# Allegro board RK3588S_Template_LP4XD200P232SD8H2_31X31_2133MHz_H1R6_V11_20220218YWQ.brd (continued)
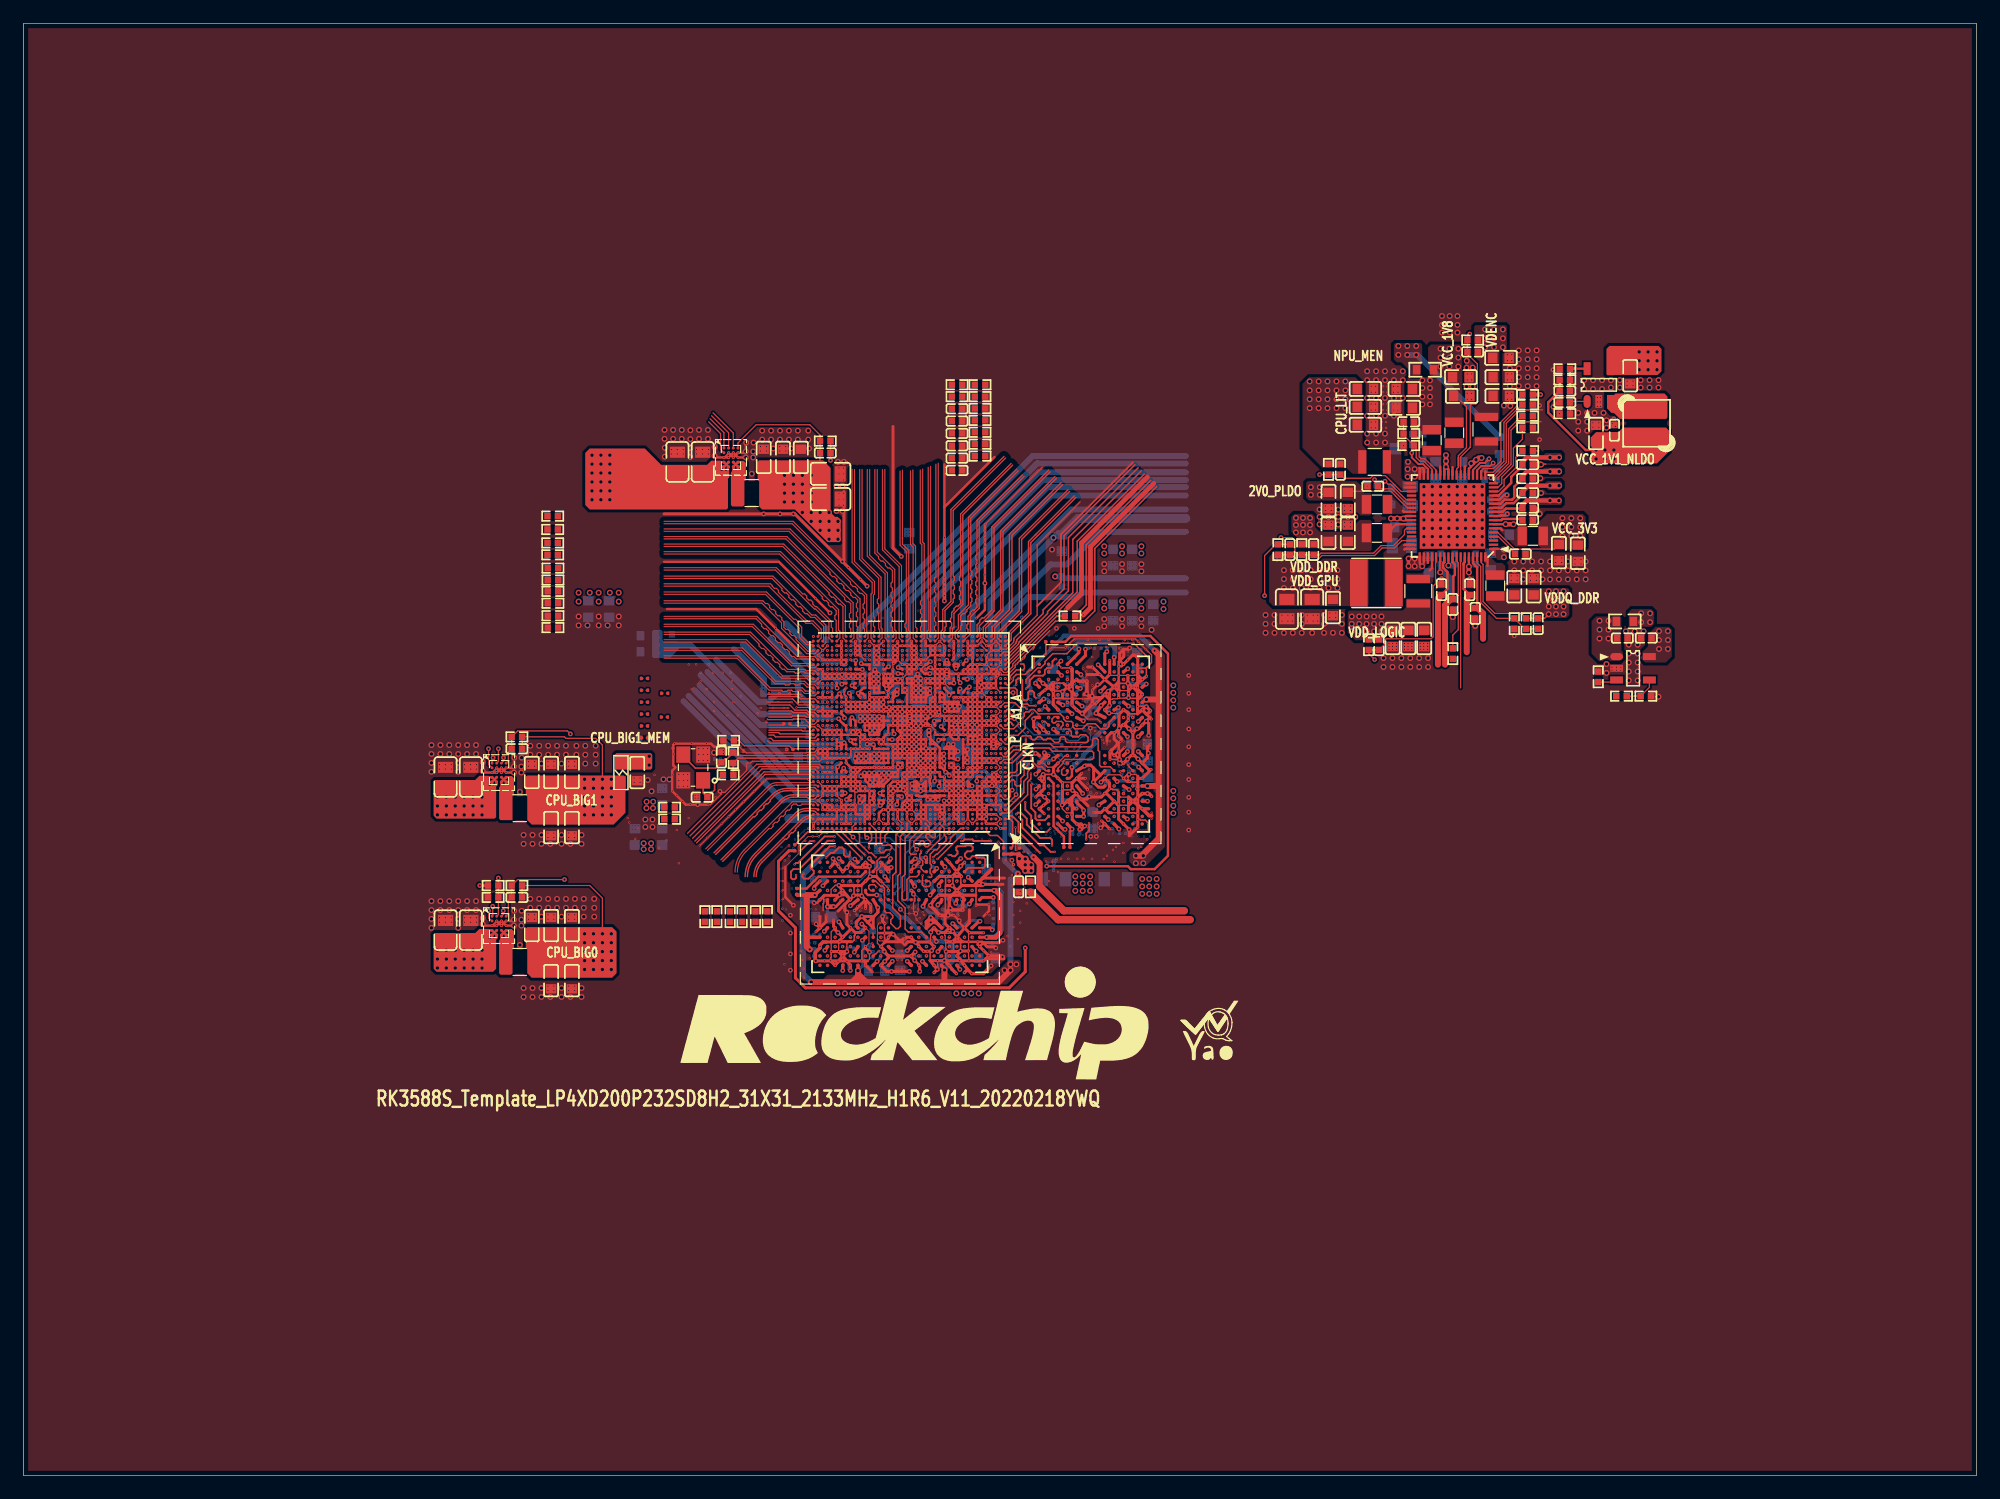
[diagram p0: board, top side]
## Routing (per net, layer and track width the routed paths; a pad name or vN(x,y) marks a point on that pad's centre or on a via; arc(x,y) is an arc through that point) (continued)
  L4-POWER1 w0.102: 71.07,61.23 69.63,61.23 68.83,60.43 64.1,60.43 61,57.33 58.24,57.33 57.89,57.68 57.06,57.68 54.07,54.69 48.56,54.69 46.76,56.49 46.76,63.35 v1(46.74,63.37)
  L5-POWER2 w0.305: v1(71.99,61.66) 71.98,61.67 v1(71.58,61.67) ; v1(71.99,61.66) 71.99,61.26 ; v1(71.99,61.66) 72.69,61.66 v1(72.69,61.67) ; v1(71.58,61.67) 71.58,61.27 v1(71.58,61.26) ; v1(71.58,61.67) v1(71.17,61.67) 71.17,61.37 v1(71.07,61.26) v1(71.58,61.26) ; v1(72.69,61.67) v1(73.13,61.67) 73.13,61.29 v1(73.1,61.26) v1(72.69,61.26) ; v1(72.69,61.67) v1(72.69,61.26) ; 71.99,61.26 v1(71.98,61.26) 71.58,61.26 v1(71.58,61.26) ; 71.99,61.26 71.99,61.26 v1(72.69,61.26)
  L7-GND2 w0.305: v1(71.58,61.26) 71.58,61.27 v1(71.58,61.67) ; v1(71.58,61.26) 71.98,61.26 v1(71.98,61.26) 71.99,61.26 v1(71.99,61.66) 71.98,61.67 v1(71.58,61.67) ; v1(71.58,61.26) v1(71.07,61.26) 71.17,61.37 v1(71.17,61.67) v1(71.58,61.67) ; v1(72.69,61.26) v1(73.1,61.26) 73.1,61.64 v1(73.13,61.67) v1(72.69,61.67) v1(72.69,61.26)
  vias: v4(67.06,61.59) v4(67.06,61.34) v4(67.06,61.09) v4(67.31,61.59) v4(67.31,61.34) v4(67.31,61.09) v4(67.56,61.59) v4(67.56,61.34) v4(67.56,61.09) v4(67.82,61.34) v4(67.82,61.09) v5(47.94,59.5) v5(47.94,58.74) v5(47.94,57.98) v5(47.94,57.21) v5(47.94,56.45) v5(48.71,59.5) v5(48.71,58.74) v5(48.71,57.98) v5(48.71,57.21) v5(48.71,56.45) v5(49.47,58.74) v5(49.47,57.98) v5(49.47,57.21) v5(49.47,56.45) v5(50.23,59.5) v5(50.23,58.74) v5(50.23,57.98) v5(50.23,57.21) v5(50.23,56.45) v5(53.23,57.03) v5(53.25,57.58) v5(53.81,57.58) v5(53.79,57.03)
VDD_CPU_LIT_S0: length 136.5
  TOP w0.102: U2200.37 117.72,84.09 116.36,85.44 115.3,85.44 115.07,85.22 112.84,85.22 C2221.2 R2219.1 v1(110.74,85.53)
  TOP w0.203: v1(72.34,63.67) 71.92,63.67 U1000.AB31 U1000.AC31 ; v1(72.34,63.67) 72.29,63.72 U1000.AC30 ; v1(72.34,63.67) 72.29,63.62 U1000.AA30 U1000.AA29 ; v1(72.34,63.67) v1(72.75,63.67) ; U1000.AA29 U1000.AA28 73.09,63.32 ; U1000.AA29 72.69,63.62 v1(72.75,63.67) ; U1000.AD27 73.17,64.5 v1(73.13,64.46) ; U1000.AD27 U1000.AE27 73.17,64.9 v1(73.13,64.86) ; U1000.AD27 U1000.AC27 ; U1000.AD27 U1000.AD26 ; v1(72.75,63.67) 72.69,63.72 U1000.AC29 ; v1(72.75,63.67) 73.2,63.67 73.49,63.97 U1000.AC27 ; v1(72.75,63.67) 73.09,63.32 ; v1(73.13,64.46) v1(73.13,64.86) ; v1(73.13,64.46) 73.09,64.42 U1000.AC28 ; v1(73.13,64.46) v1(72.73,64.46) ; v1(73.13,64.86) v1(72.73,64.86) ; U1000.AC31 71.89,64.44 v1(71.91,64.46) ; U1000.AC31 U1000.AC30 ; U1000.AC27 U1000.AC28 ; v1(71.91,64.46) v1(72.32,64.46) ; v1(71.91,64.46) v1(71.51,64.46) v1(71.51,64.86) v1(71.91,64.86) ; v1(71.91,64.46) v1(71.91,64.86) ; v1(72.32,64.46) v1(72.32,64.86) ; v1(72.32,64.46) v1(72.73,64.46) ; v1(72.32,64.46) 72.29,64.43 U1000.AC30 ; v1(72.73,64.46) v1(72.73,64.86) ; v1(72.73,64.46) 72.69,64.42 U1000.AC29 ; v1(72.73,64.86) v1(72.32,64.86) ; U1000.AC30 U1000.AC29 ; v1(72.32,64.86) v1(71.91,64.86) ; U1000.AC28 73.09,63.32 ; U1000.AC28 U1000.AC29
  L2-GND1 w0.305: v1(72.73,64.86) v1(72.73,64.46) ; v1(72.73,64.86) v1(72.32,64.86) ; v1(72.73,64.86) v1(73.13,64.86) v1(73.13,64.46) v1(72.73,64.46) ; v1(72.73,64.46) v1(72.32,64.46) ; v1(72.32,64.86) v1(72.32,64.46) ; v1(72.32,64.86) v1(71.91,64.86) ; v1(72.32,64.46) v1(71.91,64.46) ; v1(71.91,64.86) v1(71.91,64.46) ; v1(71.91,64.86) v1(71.51,64.86) v1(71.51,64.46) v1(71.91,64.46)
  L3-S1 w0.305: v1(72.32,64.46) v1(72.73,64.46) ; v1(72.32,64.46) v1(71.91,64.46) ; v1(72.32,64.46) v1(72.32,64.86) ; v1(72.73,64.46) v1(73.13,64.46) v1(73.13,64.86) v1(72.73,64.86) ; v1(72.73,64.46) v1(72.73,64.86) ; v1(71.91,64.46) v1(71.51,64.46) v1(71.51,64.86) v1(71.91,64.86) ; v1(71.91,64.46) v1(71.91,64.86) ; v1(71.91,64.86) v1(72.32,64.86) ; v1(72.32,64.86) v1(72.73,64.86)
  L4-POWER1 w0.102: v1(71.51,64.86) 71.41,64.86 70.31,65.96 69.29,65.96 68.25,67.01 65.42,67.01 59.69,72.74 59.69,82.04 64.34,86.69 68.28,86.69 70.36,88.77 70.36,90.93 74.68,95.25 106.3,95.25 108.58,92.96 108.58,87.69 v1(110.74,85.53)
  L6-S2 w0.305: v1(72.32,64.46) v1(72.73,64.46) ; v1(72.32,64.46) v1(71.91,64.46) ; v1(72.32,64.46) v1(72.32,64.86) ; v1(72.73,64.46) v1(72.73,64.86) ; v1(72.73,64.46) v1(73.13,64.46) v1(73.13,64.86) v1(72.73,64.86) ; v1(71.91,64.86) v1(72.32,64.86) ; v1(71.91,64.86) v1(71.91,64.46) ; v1(71.91,64.86) v1(71.51,64.86) v1(71.51,64.46) v1(71.91,64.46) ; v1(72.32,64.86) v1(72.73,64.86)
  L7-GND2 w0.305: v1(71.91,64.86) v1(71.51,64.86) v1(71.51,64.46) v1(71.91,64.46) ; v1(71.91,64.86) v1(72.32,64.86) ; v1(71.91,64.86) v1(71.91,64.46) ; v1(72.32,64.86) v1(72.73,64.86) ; v1(72.32,64.86) v1(72.32,64.46) ; v1(72.73,64.86) v1(72.73,64.46) ; v1(72.73,64.86) v1(73.13,64.86) v1(73.13,64.46) v1(72.73,64.46) ; v1(72.32,64.46) v1(72.73,64.46) ; v1(72.32,64.46) v1(71.91,64.46)
  BOTTOM w0.305: 71.71,65.1 71.71,65.07 v1(71.91,64.86) ; 72.31,63.98 72.31,63.71 v1(72.34,63.67) v1(72.75,63.67)
  vias: v5(47.43,75.44) v5(47.43,74.68) v5(48.39,75.44) v5(49.15,75.44) v5(49.15,74.68) v5(50.1,75.44) v5(50.86,75.44) v5(50.86,74.68) v5(109.9,93.49) v5(109.9,92.73) v5(109.9,91.97) v5(109.9,91.2) v5(110.66,93.49) v5(110.66,92.73) v5(110.66,91.97) v5(110.66,91.2) v5(111.42,93.49) v5(111.42,92.73) v5(111.42,91.97) v5(111.42,91.2) v5(112.18,93.49) v5(112.18,92.73) v5(112.18,91.97) v5(112.18,91.2) v5(112.95,93.49) v5(112.95,92.73) v5(112.95,91.97) v5(112.95,91.2)
VDD_DDR_S0: length 85.1
  TOP w0.102: U2200.46 118.16,80.94 118,80.77 118,80.41 117.06,79.46 116.01,79.46 115.36,78.82 110.86,78.82 110.71,78.67 C9922.2 R2200.2 108.91,78.67 108.63,78.95 108.63,79.91 108.39,80.15 v1(107.44,80.15)
  TOP w0.203: U1000.U13 U1000.T13 U1000.T12 ; U1000.U13 U1000.U12 ; U1000.U13 U1000.V13 ; 76.29,59.29 v1(76.68,58.9) ; 76.29,59.29 U1000.K20 ; 76.29,59.29 U1000.L20 76.1,59.3 v1(75.93,59.12) ; v1(76.68,58.9) 77.09,58.9 U1000.K18 ; v1(76.68,58.9) 77.08,59.3 U1000.L18 U1000.K18 ; v1(76.68,58.9) 76.68,58.53 v1(76.66,58.5) ; v1(76.68,58.9) 76.68,58.9 U1000.K20 ; U1000.K20 U1000.J20 ; U1000.K20 76.15,58.9 ; U1000.V13 79.09,62.33 79.03,62.39 v1(79.03,62.48) 78.69,62.14 U1000.V14 U1000.V13 ; U1000.V13 U1000.V12 ; U1000.V13 79.13,62.14 79.16,62.14 79.34,62.32 79.34,62.34 79.44,62.45 ; U1000.J20 76.14,58.5 v1(75.93,58.72) ; U1000.J20 v1(76.66,58.5) ; U1000.K18 U1000.J18 v1(76.66,58.5) ; U1000.T12 79.58,61.21 v1(79.83,61.21) ; U1000.T12 U1000.U12 ; 76.15,58.9 v1(75.93,59.12) ; 76.15,58.9 76.11,58.9 v1(75.93,58.72) ; 79.44,62.45 79.44,62.39 79.49,62.34 U1000.V12 ; 79.44,62.45 v1(79.44,62.48) ; U1000.U12 U1000.V12 ; U1000.U12 79.63,61.7 79.74,61.81 79.74,61.81 79.83,61.9 79.86,61.9 ; v1(75.93,58.72) v1(75.93,59.12) ; U1000.V12 79.63,62.1 79.8,61.93 79.83,61.93 79.86,61.9 ; 79.86,61.9 v1(79.84,61.89)
  L2-GND1 w0.305: v1(75.93,59.12) v1(75.93,58.72) ; v1(76.68,58.9) 76.68,58.53 v1(76.66,58.5) ; v1(79.44,62.48) v1(79.03,62.48)
  L3-S1 w0.102: v1(107.44,80.15) 107.29,80 107.29,51.67 102.11,46.48 95.89,46.48 94.36,48.01 v3(91.19,48.01)
  L3-S1 w0.305: v1(79.83,61.21) 79.84,61.23 v1(79.84,61.89) ; v3(75.95,58.29) 75.93,58.31 v1(75.93,58.72) v1(75.93,59.12) ; v3(76.66,58.08) v1(76.66,58.5) 76.68,58.53 v1(76.68,58.9) ; v1(79.44,62.48) v1(79.03,62.48)
  L6-S2 w0.305: v1(75.93,59.12) v1(75.93,58.72) 75.93,58.31 v3(75.95,58.29) ; v1(76.68,58.9) 76.68,58.53 v1(76.66,58.5) v3(76.66,58.08) ; v1(79.83,61.21) 79.83,61.87 v1(79.84,61.89) ; v1(79.44,62.48) v1(79.03,62.48)
  L7-GND2 w0.305: v1(76.68,58.9) 76.68,58.53 v1(76.66,58.5) ; v1(79.44,62.48) v1(79.03,62.48) ; v1(79.84,61.89) 79.84,61.23 v1(79.83,61.21) ; v1(75.93,58.72) v1(75.93,59.12)
  BOTTOM w0.254: 75.82,58.72 v1(75.93,58.72) ; v1(75.93,58.72) v1(75.93,59.12) ; v1(75.93,58.72) 76.17,58.47 76.17,58.44 76.6,58.44 v1(76.66,58.5) 76.66,58.88 v1(76.68,58.9) 76.66,58.9
  BOTTOM w0.305: v1(76.68,58.9) 77.06,59.28 77.06,59.34
  vias: v3(88.01,47.37) v3(88.01,46.86) v3(88.01,46.36) v3(88.52,47.37) v3(88.52,46.86) v3(88.52,46.36) v3(89.03,47.37) v3(89.03,46.86) v3(89.03,46.36) v5(108.73,81.83) v5(108.73,81.22) v5(108.73,80.59) v5(109.33,81.83) v5(109.33,81.22) v5(109.33,80.59) v5(109.93,81.83) v5(109.93,81.22) v5(109.93,80.59)
VDD_GPU_S0: length 102.4
  TOP w0.102: R2208.1 C2209.2 108.4,78.67 108.83,78.24 110.57,78.24 110.94,78.61 115.44,78.61 116.09,79.26 117.14,79.26 117.77,79.89 U2200.49 ; C2209.1 R2208.2 107,79.57 106.04,78.61 v1(106.04,75.18)
  TOP w0.203: v1(76.66,67.71) 76.65,67.72 76.65,68.1 v1(76.66,68.12) ; v1(76.66,67.71) 76.64,67.68 76.64,67.33 76.66,67.31 v1(76.66,67.3) ; v1(76.66,67.71) 76.26,67.71 v1(76.25,67.7) ; v1(76.66,66.88) 76.25,66.88 76.25,66.88 ; v1(76.66,66.88) 76.69,66.85 U1000.AJ19 ; v1(76.66,66.88) 76.68,66.9 U1000.AK18 ; v1(76.66,66.88) v1(76.66,67.3) ; v1(76.25,67.7) 76.22,67.7 U1000.AM21 ; v1(76.25,67.7) 76.25,67.72 76.23,67.74 v1(76.23,68.1) ; v1(76.25,67.7) 76.23,67.68 76.23,67.31 76.24,67.3 ; U1000.AN21 U1000.AM21 ; U1000.AN21 U1000.AN22 U1000.AM22 U1000.AM21 ; U1000.AN21 v1(76.23,68.1) ; U1000.AM21 v2(75.89,67.3) ; v1(76.23,68.1) 76.23,68.31 v1(76.4,68.48) 76.66,68.22 v1(76.66,68.12) ; v1(76.23,68.1) 76.23,68.1 76.25,68.12 v1(76.66,68.12) ; U1000.AJ19 U1000.AH19 ; U1000.AJ19 U1000.AJ20 ; U1000.AJ19 U1000.AJ18 ; U1000.AH19 U1000.AH18 U1000.AJ18 ; U1000.AH19 v7(75.89,66.1) v7(75.89,66.5) ; v1(76.66,67.3) 76.27,67.3 v1(76.25,67.29) ; v1(76.66,67.3) U1000.AL18 ; U1000.AL18 77.41,67.3 v1(77.45,67.26) v1(77.45,66.85) ; U1000.AL18 U1000.AK18 ; v1(76.25,66.88) 76.25,66.54 U1000.AJ20 ; v1(76.25,66.88) 76.25,66.88 ; v1(76.25,66.88) 76.25,66.88 75.91,66.88 v2(75.89,66.9) ; v2(75.89,66.9) v2(75.89,67.3) ; v2(75.89,66.9) v7(75.89,66.5) ; v1(77.45,66.85) 77.4,66.9 U1000.AK18 ; v1(77.45,66.85) 77.1,66.5 U1000.AJ18 ; 76.25,66.88 v1(76.25,67.29) ; 76.24,67.3 v1(76.25,67.29) ; 76.24,67.3 v2(75.89,67.3) ; v7(75.89,66.5) U1000.AJ20 ; U1000.AJ20 U1000.AH20 ; U1000.AJ18 U1000.AK18
  L2-GND1 w0.305: v2(75.89,66.9) v7(75.89,66.5) v7(75.89,66.1) ; v2(75.89,66.9) v2(75.89,67.3) 76.24,67.3 ; v2(75.89,66.9) 75.91,66.88 v1(76.25,66.88) ; v1(76.25,67.7) 76.26,67.71 v1(76.66,67.71) ; v1(76.66,67.71) v1(76.66,67.3) ; v1(76.66,67.71) v1(76.66,68.12) 76.4,68.37 v1(76.4,68.48) 76.23,68.31 v1(76.23,68.1) 76.23,67.31 76.24,67.3 ; v1(77.45,66.85) v1(77.45,67.26) ; v1(76.66,67.3) v1(76.66,66.88) 76.66,66.88 v1(76.25,66.88) ; v1(76.66,67.3) 76.27,67.3 v1(76.25,67.29) ; v1(76.25,67.29) 76.24,67.3 ; v1(76.25,67.29) 76.25,66.88 v1(76.25,66.88)
  L3-S1 w0.102: v2(75.89,67.3) 75.83,67.3 75.64,67.11 ; v2(75.89,66.9) 75.69,66.9 75.59,67
  L3-S1 w0.203: v1(76.66,67.3) v1(76.66,66.88) 76.66,66.88 v1(76.25,66.88) ; v1(76.66,67.3) v1(76.66,67.71) ; v1(76.66,67.3) 76.65,67.29 v1(76.25,67.29) ; v1(76.25,66.88) 76.23,66.9 v2(75.89,66.9) ; v1(76.25,66.88) 76.25,66.88 v1(76.25,67.29) ; v1(76.23,68.1) 76.23,68.1 76.25,68.08 v1(76.25,67.7) ; v1(76.23,68.1) 76.23,68.31 v1(76.4,68.48) 76.66,68.22 v1(76.66,68.12) ; v1(76.23,68.1) 76.23,68.1 76.65,68.1 v1(76.66,68.12) ; v1(76.25,67.7) 76.65,67.7 v1(76.66,67.71) ; v1(76.25,67.7) 76.25,67.7 v1(76.25,67.29) ; v1(76.25,67.7) 76.25,67.66 v2(75.89,67.3) 75.91,67.29 v1(76.25,67.29) ; v1(76.66,67.71) v1(76.66,68.12)
  L3-S1 w0.254: v3(75.59,66.7) v3(75.59,67.11) 75.7,67.11 v2(75.89,67.3) v2(75.89,66.9)
  L3-S1 w0.305: v1(77.45,66.85) v1(77.45,67.26)
  L5-POWER2 w0.102: v1(106.04,75.18) 104.77,76.45 89.41,76.45 88.63,77.23 81.84,77.23 81.06,76.45 81.06,75.74 79.83,74.51 79.83,73.1 79.25,72.52 79.25,71.13 78.1,69.98 78.1,69.47 ; v1(76.25,67.7) 76.23,67.72 v1(76.23,68.1)
  L5-POWER2 w0.203: v3(75.59,67.11) 75.77,67.29 v1(76.25,67.29) 76.25,67.28 v1(76.25,66.88) 76.07,66.7 v3(75.59,66.7) ; v1(76.66,66.88) v1(76.66,67.3) v1(76.66,67.71) v1(76.66,68.12) 76.66,68.22 v1(76.4,68.48) 76.23,68.31 v1(76.23,68.1)
  L5-POWER2 w0.254: v3(75.59,66.7) v3(75.59,67.11)
  L6-S2 w0.203: v3(75.01,79.44) v3(75.01,79.04)
  L6-S2 w0.305: v1(76.25,67.7) 76.26,67.71 v1(76.66,67.71) ; v1(76.25,67.7) 76.25,67.7 v1(76.25,67.29) ; v1(76.25,67.7) 76.25,68.08 v1(76.23,68.1) 76.4,68.27 76.4,68.37 ; 76.4,68.37 v1(76.4,68.48) ; 76.4,68.37 v1(76.66,68.12) v1(76.66,67.71) ; v1(76.66,67.3) v1(76.66,67.71) ; v1(76.66,67.3) 76.27,67.3 v1(76.25,67.29) ; v1(76.66,67.3) v1(76.66,66.88) 76.25,66.88 v1(76.25,66.88) ; v1(76.25,66.88) 76.07,66.7 v3(75.59,66.7) v3(75.59,67.11) 75.62,67.08 76.05,67.08 76.25,67.28 ; v1(76.25,66.88) 76.25,67.28 ; 76.25,67.28 v1(76.25,67.29)
  L7-GND2 w0.305: v1(76.25,67.7) 76.26,67.71 v1(76.66,67.71) ; v1(76.66,67.3) 76.27,67.3 v1(76.25,67.29) ; v1(76.66,67.3) v1(76.66,66.88) 76.25,66.88 v1(76.25,66.88) 76.25,68.08 v1(76.23,68.1) ; v1(76.66,67.3) v1(76.66,67.71) ; v1(76.66,68.12) 76.25,68.12 v1(76.23,68.1) ; v1(76.66,68.12) 76.66,68.22 v1(76.4,68.48) 76.23,68.31 v1(76.23,68.1) ; v1(76.66,68.12) v1(76.66,67.71)
  vias: v4(75.44,79.44) v4(75.44,79.24) v4(75.44,78.99) v4(75.69,79.44) v4(75.69,79.24) v4(75.69,78.99) v5(92.34,79.4) v5(92.34,78.79) v5(93.87,79.4) v5(93.87,78.79) v5(95.52,79.4) v5(95.52,78.79) v5(107.7,77.36) v5(107.7,76.6) v5(107.7,75.84) v5(108.46,77.36) v5(108.46,76.6) v5(108.46,75.84) v5(109.22,77.36) v5(109.22,76.6) v5(109.22,75.84) v5(109.98,77.36) v5(109.98,76.6) v5(109.98,75.84) v5(110.74,77.36) v5(110.74,76.6) v5(110.74,75.84) v5(111.51,77.36) v5(111.51,76.6) v5(111.51,75.84) v5(112.27,77.36) v5(112.27,76.6) v5(112.27,75.84)
VDD_LOGIC_S0: length 124.6
  TOP w0.102: v5(114.76,72.14) 114.76,71.62 R2238.2 C2230.1 ; v1(115.44,69.72) 114.94,70.23 R2238.1 C2230.2 116.33,71.05 116.33,71.4 116.43,71.5 120.27,71.5 120.45,71.68 120.45,76 120.65,76.2 120.65,77.98 120.7,78.03 U2200.56
  TOP w0.203: 79.17,65.76 v1(79.17,65.74) ; 79.17,65.76 79.09,65.84 U1000.AH13 ; 79.17,65.76 79.17,65.77 79.49,66.09 ; v1(79.17,65.74) 79.09,65.66 U1000.AF13 ; v1(79.17,65.74) v1(78.74,65.74) ; v1(79.17,65.74) 79.19,65.75 v1(79.58,65.75) ; 79.89,66.06 U1000.AH11 ; 79.89,66.06 79.89,65.85 79.98,65.76 v1(79.98,65.71) ; 79.89,66.06 v1(79.58,65.75) ; U1000.AH11 U1000.AH12 ; U1000.AH11 U1000.AH12 ; U1000.AJ15 U1000.AH15 U1000.AH14 ; U1000.AJ15 U1000.AK15 78.49,66.9 78.69,66.7 78.69,66.5 ; U1000.AJ15 78.69,66.5 ; U1000.AH12 U1000.AH13 ; U1000.AH12 79.49,66.09 ; U1000.AH12 U1000.AH13 ; U1000.AH14 U1000.AH13 ; U1000.AH14 78.69,66.5 ; U1000.AH14 U1000.AH13 ; U1000.AH14 78.69,65.81 78.74,65.76 v1(78.74,65.74) ; v1(79.58,65.75) 79.49,65.84 79.49,66.09 ; v1(79.58,65.75) 79.94,65.75 v1(79.98,65.71) ; v1(79.58,65.75) 79.49,65.66 U1000.AF12 ; v2(71.89,66.5) 71.89,66.65 71.69,66.85 v1(71.32,66.85) ; U1000.W33 70.92,62.5 70.69,62.73 70.69,62.74 70.67,62.77 v1(70.67,62.82) 70.74,62.88 70.74,62.88 70.76,62.9 U1000.Y33 ; U1000.AF12 U1000.AF13 ; U1000.AF12 79.89,65.3 79.89,65.55 79.98,65.64 v1(79.98,65.71) ; U1000.AF13 78.77,65.3 v1(78.74,65.33) v1(78.74,65.74) ; v1(71.32,66.85) 71.32,66.67 v2(71.49,66.5) ; v1(71.32,66.85) 71.77,67.3 U1000.AL31 ; U1000.H27 73.39,58.1 v1(73.18,58.31) 73.37,58.5 U1000.J27 ; v2(74.69,66.1) v2(75.09,66.1)
  L2-GND1 w0.254: v1(79.17,65.74) 78.77,65.33 v1(78.74,65.33)
  L2-GND1 w0.305: v1(78.74,65.33) v1(78.74,65.74) v1(79.17,65.74) 79.57,65.74 v1(79.58,65.75) 79.94,65.75 v1(79.98,65.71)
  L3-S1 w0.203: v3(71.76,66.95) 71.89,66.82 v2(71.89,66.5) ; v2(71.49,66.5) 71.62,66.63 71.62,66.81 71.67,66.85 ; v1(79.17,65.74) 78.77,65.33 v1(78.74,65.33) ; v2(74.69,66.1) 74.69,66.11 v3(74.98,66.4) 75.09,66.28 v2(75.09,66.1) v2(74.69,66.1)
  L3-S1 w0.254: v1(71.32,66.85) 71.67,66.85 v3(71.76,66.95)
  L3-S1 w0.305: v1(79.98,65.71) 79.94,65.75 v1(79.58,65.75) 79.57,65.74 v1(79.17,65.74) v1(78.74,65.74) v1(78.74,65.33)
  L4-POWER1 w0.102: 78.61,68.83 78.51,68.94 78.51,71.11 79.22,71.83 79.22,73.03 79.91,73.72 79.91,76.73 82.8,79.63 88.14,79.63 88.77,80.26 97.92,80.26 103.38,74.8 112.14,74.8 112.65,74.3 116.2,74.3 116.71,73.79 116.71,70.99 v1(115.44,69.72)
  L5-POWER2 w0.254: v1(78.74,65.74) 78.77,65.76 79.15,65.76 v1(79.17,65.74)
  L6-S2 w0.102: 81.79,70.48 81.79,69.58 82.55,68.82
  L6-S2 w0.203: v1(71.32,66.85) 71.45,66.85 v6(71.63,66.67) 71.76,66.81 v3(71.76,66.95) ; v4(74.83,66.12) 74.98,66.27 v3(74.98,66.4) 74.96,66.4 74.88,66.32 74.73,66.32 v4(74.65,66.24)
  L7-GND2 w0.254: v1(71.32,66.85) 71.45,66.85 v6(71.63,66.67) 71.35,66.4 71.32,66.4 ; 70.69,59.23 70.94,58.98 71.78,58.98 72.16,58.6 72.9,58.6 v1(73.18,58.31)
  L7-GND2 w0.305: 68.58,60.33 68.58,61.34 68.97,61.34 68.97,59.94 ; v4(74.83,66.12) 74.7,66.24 v4(74.65,66.24) ; 69.72,61.09 69.96,61.32 69.96,61.34 ; 69.85,61.59 70.21,61.59 ; 69.85,61.59 68.71,61.59 ; 69.85,61.59 70.03,61.41 ; v1(79.98,65.71) 79.94,65.75 v1(79.58,65.75) 79.57,65.74 v1(79.17,65.74) ; v1(79.17,65.74) 78.77,65.33 v1(78.74,65.33) v1(78.74,65.74) v1(79.17,65.74)
  L7-GND2 w0.381: v1(71.32,66.85) 71.32,66.4 70.33,65.41 70,65.41 ; 68.45,61.86 68.97,61.34 69.96,61.34 70.34,61.72 70.34,62.12 70.67,62.45 v1(70.67,62.82)
  L7-GND2 w0.635: 69.09,59.82 69.21,59.69 70.23,59.69 70.69,59.23 ; 67.9,62.41 68.45,61.86
  L7-GND2 w0.762: 70,65.41 69.11,65.41 67.9,64.19 67.9,62.41 ; 68.97,59.94 69.09,59.82
  BOTTOM w0.203: v1(79.17,65.74) 78.77,65.33 v1(78.74,65.33) ; C1021.1 73.15,57.91 73.15,58.28 v1(73.18,58.31)
  BOTTOM w0.254: 78.76,65.76 78.78,65.78
  BOTTOM w0.279: v1(70.67,62.82) 70.44,63.05 C1023.1
  BOTTOM w0.305: v1(78.74,65.33) v1(78.74,65.74) ; C1017.1 71.63,66.58 71.36,66.85 v1(71.32,66.85) ; 79.55,65.72 v1(79.58,65.75)
  BOTTOM w0.381: 78.78,65.78 79.91,65.78 v1(79.98,65.71)
  vias: v5(92.34,74.71) v5(92.34,74.1) v5(93.87,74.71) v5(93.87,74.1) v5(95.52,74.71) v5(95.52,74.1) v5(113.49,73.41) v5(113.49,72.77) v5(113.49,72.14) v5(114.13,73.41) v5(114.13,72.77) v5(114.13,72.14) v5(114.76,73.41) v5(114.76,72.77) v5(115.4,73.41) v5(115.4,72.77) v5(115.4,72.14) v5(116.03,73.41) v5(116.03,72.77) v5(116.03,72.14)
VDD_NPU_S0: length 75.2
  TOP w0.102: U2302.A4 61.05,88.23 62.61,89.79 67.18,89.79 68.06,88.91 R2304.2 C2319.2 68.06,85.67 ; v1(68.96,86.74) C2319.1 R2304.1
  TOP w0.203: v1(73.05,68.06) 73.06,68.07 v1(73.06,68.47) ; v1(73.05,68.06) 73.06,68.06 v1(73.06,67.66) ; v1(73.05,68.06) v1(72.65,68.06) ; U1000.AL29 72.69,67.62 v1(72.65,67.66) ; U1000.AL29 U1000.AK29 U1000.AK28 ; U1000.AL29 U1000.AL28 ; U1000.AL29 U1000.AL30 U1000.AM30 ; v1(72.65,68.47) 72.65,68.76 v1(72.75,68.86) 73.06,68.55 v1(73.06,68.47) ; v1(72.65,68.47) v1(73.06,68.47) ; v1(72.65,68.47) v1(72.65,68.06) ; v1(72.65,68.47) 72.62,68.5 U1000.AP30 U1000.AN30 ; U1000.AK28 U1000.AK27 ; U1000.AK28 U1000.AL28 ; U1000.AK25 74.48,66.9 v1(74.63,66.75) ; U1000.AK25 74.54,67.15 v1(74.66,67.15) 74.66,66.78 v1(74.63,66.75) ; U1000.AK25 U1000.AJ25 ; U1000.AJ25 74.37,66.5 v1(74.63,66.75) ; U1000.AJ25 U1000.AH25 U1000.AH26 ; v1(73.06,67.66) 73.09,67.62 U1000.AL28 ; v1(73.06,67.66) v1(72.65,67.66) ; U1000.AM30 72.61,67.7 v1(72.65,67.66) ; U1000.AM30 U1000.AN30 ; U1000.AN30 72.61,68.1 v1(72.65,68.06) ; v1(72.65,68.06) v1(72.65,67.66)
  L2-GND1 w0.305: v1(72.65,68.06) v1(72.65,68.47) 72.75,68.57 72.75,68.78 ; v1(72.65,68.06) v1(72.65,67.66) v1(73.06,67.66) 73.05,67.66 v1(73.05,68.06) ; v1(72.65,68.06) v1(73.05,68.06) ; v1(73.05,68.06) 73.06,68.07 v1(73.06,68.47) 72.75,68.78 ; 72.75,68.78 v1(72.75,68.86)
  L3-S1 w0.305: v1(73.05,68.06) 73.05,67.66 v1(73.06,67.66) v1(72.65,67.66) v1(72.65,68.06) ; v1(73.05,68.06) v1(72.65,68.06) ; v1(73.05,68.06) 73.06,68.07 v1(73.06,68.47) 72.75,68.78 v1(72.75,68.86) 72.65,68.76 v1(72.65,68.47) v1(72.65,68.06)
  L4-POWER1 w0.102: 69.29,67.61 68.89,67.21 65.5,67.21 59.92,72.79 59.92,81.89 64.52,86.49 68.71,86.49 v1(68.96,86.74)
  L6-S2 w0.102: v1(74.66,67.15) 74.63,67.12
  L6-S2 w0.254: v1(74.63,66.75) 74.63,67.26 75.73,68.36 75.73,68.53
  L6-S2 w0.305: v1(72.65,68.06) v1(72.65,67.66) v1(73.06,67.66) 73.06,68.06 v1(73.05,68.06) ; v1(72.65,68.06) v1(73.05,68.06) ; v1(72.65,68.06) v1(72.65,68.47) ; v1(73.06,68.47) v1(72.65,68.47) ; v1(73.06,68.47) 72.75,68.78 v1(72.75,68.86) 72.65,68.76 v1(72.65,68.47) ; v1(73.06,68.47) 73.05,68.47 v1(73.05,68.06)
  L6-S2 w0.406: 75.73,68.53 75.95,68.76 75.69,69.02
  L7-GND2 w0.305: v1(73.05,68.06) 73.05,67.66 v1(73.06,67.66) v1(72.65,67.66) v1(72.65,68.06) ; v1(73.05,68.06) 73.06,68.07 v1(73.06,68.47) ; v1(73.05,68.06) v1(72.65,68.06) ; v1(72.65,68.06) v1(72.65,68.47) ; v1(74.66,67.15) 74.66,66.78 v1(74.63,66.75) ; v1(72.65,68.47) v1(73.06,68.47) ; v1(72.65,68.47) 72.65,68.76 v1(72.75,68.86) 73.06,68.55 v1(73.06,68.47)
  vias: v5(65.02,85.47) v5(65.02,84.71) v5(65.02,83.95) v5(65.02,83.19) v5(65.79,85.47) v5(65.79,84.71) v5(65.79,83.95) v5(65.79,83.19) v5(66.55,85.47) v5(66.55,84.71) v5(66.55,83.95) v5(66.55,83.19) v5(66.55,82.3) v5(67.31,85.47) v5(67.31,84.71) v5(67.31,83.95) v5(67.31,83.19) v5(67.31,82.3) v5(67.31,81.53) v5(68.07,82.3) v5(68.07,81.53) v5(68.07,80.77) v5(68.83,82.3) v5(68.83,81.53) v5(68.83,80.77) v5(68.83,80.01) v5(69.6,81.53) v5(69.6,80.77) v5(69.6,80.01)
VDD_VDENC_S0: length 105.2
  TOP w0.102: v1(123.57,97.54) 123.37,97.34 R2209.2 C2291.2 123.37,95.83 124.23,94.97 124.23,91.72 124.08,91.56 123.73,91.56 123.62,91.46 123.62,87.87 122.8,87.05 U2200.24
  TOP w0.203: 78.64,60.9 U1000.R15 ; 78.64,60.9 78.65,60.91 v1(78.65,61.26) ; 78.64,60.9 78.66,60.88 v1(78.66,60.85) 78.72,60.79 78.72,60.22 ; U1000.R15 U1000.T15 ; U1000.R15 U1000.P15 78.44,60.5 78.72,60.22 ; U1000.Y17 77.56,62.9 77.89,62.57 U1000.W16 ; U1000.Y17 77.49,63.15 v1(77.37,63.27) ; U1000.Y17 U1000.W17 U1000.W16 ; U1000.U15 78.61,61.7 v1(78.64,61.67) 78.64,61.31 78.65,61.3 v1(78.65,61.26) ; U1000.U15 U1000.T15 ; U1000.U15 78.29,62.17 77.96,62.5 U1000.W16 ; 78.72,60.22 78.72,60.2 78.82,60.1 ; v1(78.65,61.26) 78.61,61.3 U1000.T15 ; 78.82,60.1 78.82,60.1 v1(78.79,60.1) ; 78.82,60.1 78.9,60.1 79.1,59.9 v1(79.1,59.82) ; U1000.AD15 77.86,64.5 v1(77.83,64.47) 77.83,64.17 U1000.AC16
  TOP w0.406: v1(77.37,63.68) v1(77.37,63.27)
  L2-GND1 w0.305: v1(78.66,60.85) 78.64,60.88 v1(78.64,61.67) ; v1(79.1,59.82) 78.82,60.1 v1(78.79,60.1) ; v1(77.37,63.68) v1(77.37,63.27)
  L3-S1 w0.305: v1(78.66,60.85) 78.66,61.25 v1(78.65,61.26) 78.65,61.66 v1(78.64,61.67) ; v1(79.1,59.82) 79.07,59.82 v1(78.79,60.1) ; v1(77.37,63.68) v1(77.37,63.27)
  L5-POWER2 w0.102: 79.76,69.47 79.76,70.35 80.59,71.19 80.59,74.2 82.6,76.2 104.53,76.2 106.41,74.32 111.92,74.32 114.81,77.22 114.81,86.17 117.92,89.28 120.62,89.28 124.23,92.89 124.23,96.88 v1(123.57,97.54)
  L5-POWER2 w0.203: 78.16,64.41 78.14,64.43 77.93,64.43 77.89,64.47 77.88,64.47
  L5-POWER2 w0.254: 78.36,62.23 78.25,62.34 77.96,62.34 77.7,62.61 77.7,62.99 77.8,63.09 77.8,63.3 ; 78.16,64.74 77.88,64.47 v1(77.83,64.47) 77.83,64.41 77.62,64.21 77.62,64.14 77.88,64.14 78.16,64.41 78.16,64.54 ; 77.8,63.3 78.13,63.3 ; 77.8,63.3 77.8,63.45 ; 77.85,63.5 77.95,63.6 78.16,63.6 ; 77.85,63.5 78.16,63.5 ; 77.85,63.5 77.8,63.45 ; 77.8,63.45 77.8,63.96
  L5-POWER2 w0.305: 78.16,63.5 78.16,63.6 77.62,64.14
  L6-S2 w0.305: v1(78.66,60.85) 78.65,60.87 v1(78.65,61.26) 78.64,61.27 v1(78.64,61.67) ; v1(78.79,60.1) 79.07,59.82 v1(79.1,59.82)
  L7-GND2 w0.305: v1(78.64,61.67) 78.64,60.88 v1(78.66,60.85) ; v1(78.79,60.1) 79.07,59.82 v1(79.1,59.82)
  BOTTOM w0.305: 79.11,59.94 79.11,59.88 79.1,59.87 v1(79.1,59.82) 79.13,59.82 79.28,59.97 79.38,59.97 ; 79.11,59.94 79.08,59.94 ; 79.11,59.94 79.1,59.94 79.02,59.94 78.86,60.1 78.82,60.1 78.82,60.09 78.84,60.09 78.8,60.09 v1(78.79,60.1) ; 78.64,61.26 78.64,61.26 v1(78.65,61.26) 78.65,61.26 ; 78.64,61.26 78.6,61.3 78.58,61.3 78.53,61.35 ; 78.64,61.26 78.65,61.26 ; 78.65,61.26 78.69,61.26 ; C1080.1 78.05,64.47 v1(77.83,64.47) 77.8,64.44 C1063.1 ; v1(78.66,60.85) 78.66,60.85 78.62,60.85 78.4,60.63 ; v1(78.64,61.67) 78.62,61.65 78.49,61.65 78.29,61.45 78.29,61.42 78.25,61.42
  vias: v5(97.41,74.68) v5(97.41,74.04) v5(124.88,97.93) v5(124.88,97.17) v5(124.88,96.41) v5(125.65,97.93) v5(125.65,97.17) v5(125.65,96.41) v5(126.41,97.93) v5(126.41,97.17) v5(126.41,96.41)
VDDA_0V75_S0: length 190
  TOP w0.203: v1(80.64,68.05) 80.64,68.05 80.59,68.1 U1000.AN10 ; U1000.AR27 73.62,68.9 73.84,69.11 v1(73.91,69.11) ; U1000.AM13 79.43,67.7 79.45,67.72 v1(79.5,67.72) 79.49,67.73 U1000.AN12 ; U1000.AM37 69.49,67.72 69.49,67.31 v1(69.52,67.28) ; v1(74.22,62.89) 74.17,62.89 74.16,62.9 U1000.Y26 ; U2200.11 126.28,82.69 126.68,83.08 127.33,83.08 127.79,83.54 127.79,83.69 C2259.1 ; U1000.AR33 71.66,68.9 v1(71.68,68.88) ; 79.49,69.15 v1(79.68,68.96) 79.89,69.17 U1000.AT11 79.84,69.36 79.55,69.36 U1000.AT12 79.49,69.15
  TOP w0.381: C2259.1 128.07,84.07 128.58,84.58 v5(130.43,84.58) 130.56,84.58 130.57,84.6 130.67,84.6
  TOP w0.508: v5(131.21,84.58) 130.56,84.58
  L3-S1 w0.203: v3(81.29,67.71) 81.09,67.9 v2(81.09,68.1)
  L4-POWER1 w0.203: v1(74.22,62.89) 74.19,62.92 71.22,62.92 70.92,63.22 69.9,63.22 69.6,62.92 68.28,62.92 67.89,63.3 66.47,63.3 66.09,62.92 60.27,62.92 60.2,62.84 v3(60.15,62.84)
  L4-POWER1 w0.381: 78.78,67.82 78.88,67.72 v1(79.5,67.72)
  L4-POWER1 w0.457: 79.5,73.89 78.84,73.23 78.84,71.98 78.13,71.27 78.13,68.4 78.71,67.82 78.78,67.82
  L4-POWER1 w0.508: 79.5,73.89 79.5,76.94 82.7,80.14 v5(88.01,80.14)
  L6-S2 w0.203: v3(81.29,67.71) 81.29,67.95 v4(81.38,68.05) ; v4(60.4,63.04) 60.2,62.84 v3(60.15,62.84) v4(60.15,63.3)
  L6-S2 w0.381: v1(71.68,68.88) 71.77,68.88 72.15,69.27 72.15,69.8 71.58,70.37
  L6-S2 w0.508: 68.66,75.36 71.58,72.44 71.58,70.37
  BOTTOM w0.102: v1(79.5,67.72) 79.32,67.89 C1711.1 79.33,68.17 79.33,68.67
  BOTTOM w0.203: v1(69.52,67.28) 69.49,67.31 69.49,67.31 69.29,67.52 C1602.1 C1603.1 68.3,67.56 68.07,67.56
  BOTTOM w0.254: C1103.1 74.24,62.87 v1(74.22,62.89) ; 81.6,68.19 81.52,68.19 v4(81.38,68.05) 81.31,67.97 C1507.1
  BOTTOM w0.279: v1(79.68,68.96) 79.56,69.09 C1407.1 79.56,69.76 ; C1605.1 71.98,68.58 v1(71.68,68.88) 71.24,68.88 C1611.1
  BOTTOM w0.305: 81.6,68.19 81.68,68.27
  BOTTOM w0.381: v1(73.91,69.11) 73.97,69.17 C1613.1 73.97,71.42
  BOTTOM w0.406: v1(80.64,68.05) 81.43,68.83 81.97,68.83 82.62,69.49 ; 83.18,69.47 83.18,69.34 82.11,68.27 81.68,68.27
  BOTTOM w0.457: 82.62,69.49 82.62,70.98 ; 83.18,69.47 83.18,69.85
  BOTTOM w0.508: 82.62,70.98 82.62,74.75 v5(88.01,80.14) 88.26,80.39 C1718.1 ; 79.56,69.76 80,70.2 80,71.15 80.26,71.42 80.26,76.2 87.81,83.74 99.31,83.74 ; 63.83,71.49 C1113.1 67.75,67.89 68.07,67.56 ; 99.31,80.64 91.95,80.64 89.15,77.85 87.76,77.85 83.18,73.28 83.18,69.85 ; 99.31,86.49 86.61,86.49 73.97,73.84 73.97,71.42 ; v4(60.4,63.04) v4(60.15,63.3) 56.83,66.61
  BOTTOM w0.762: C1718.1 90.12,81.79 99.31,81.79
